# KiCad board FPGA_dev_board.kicad_pcb (continued)
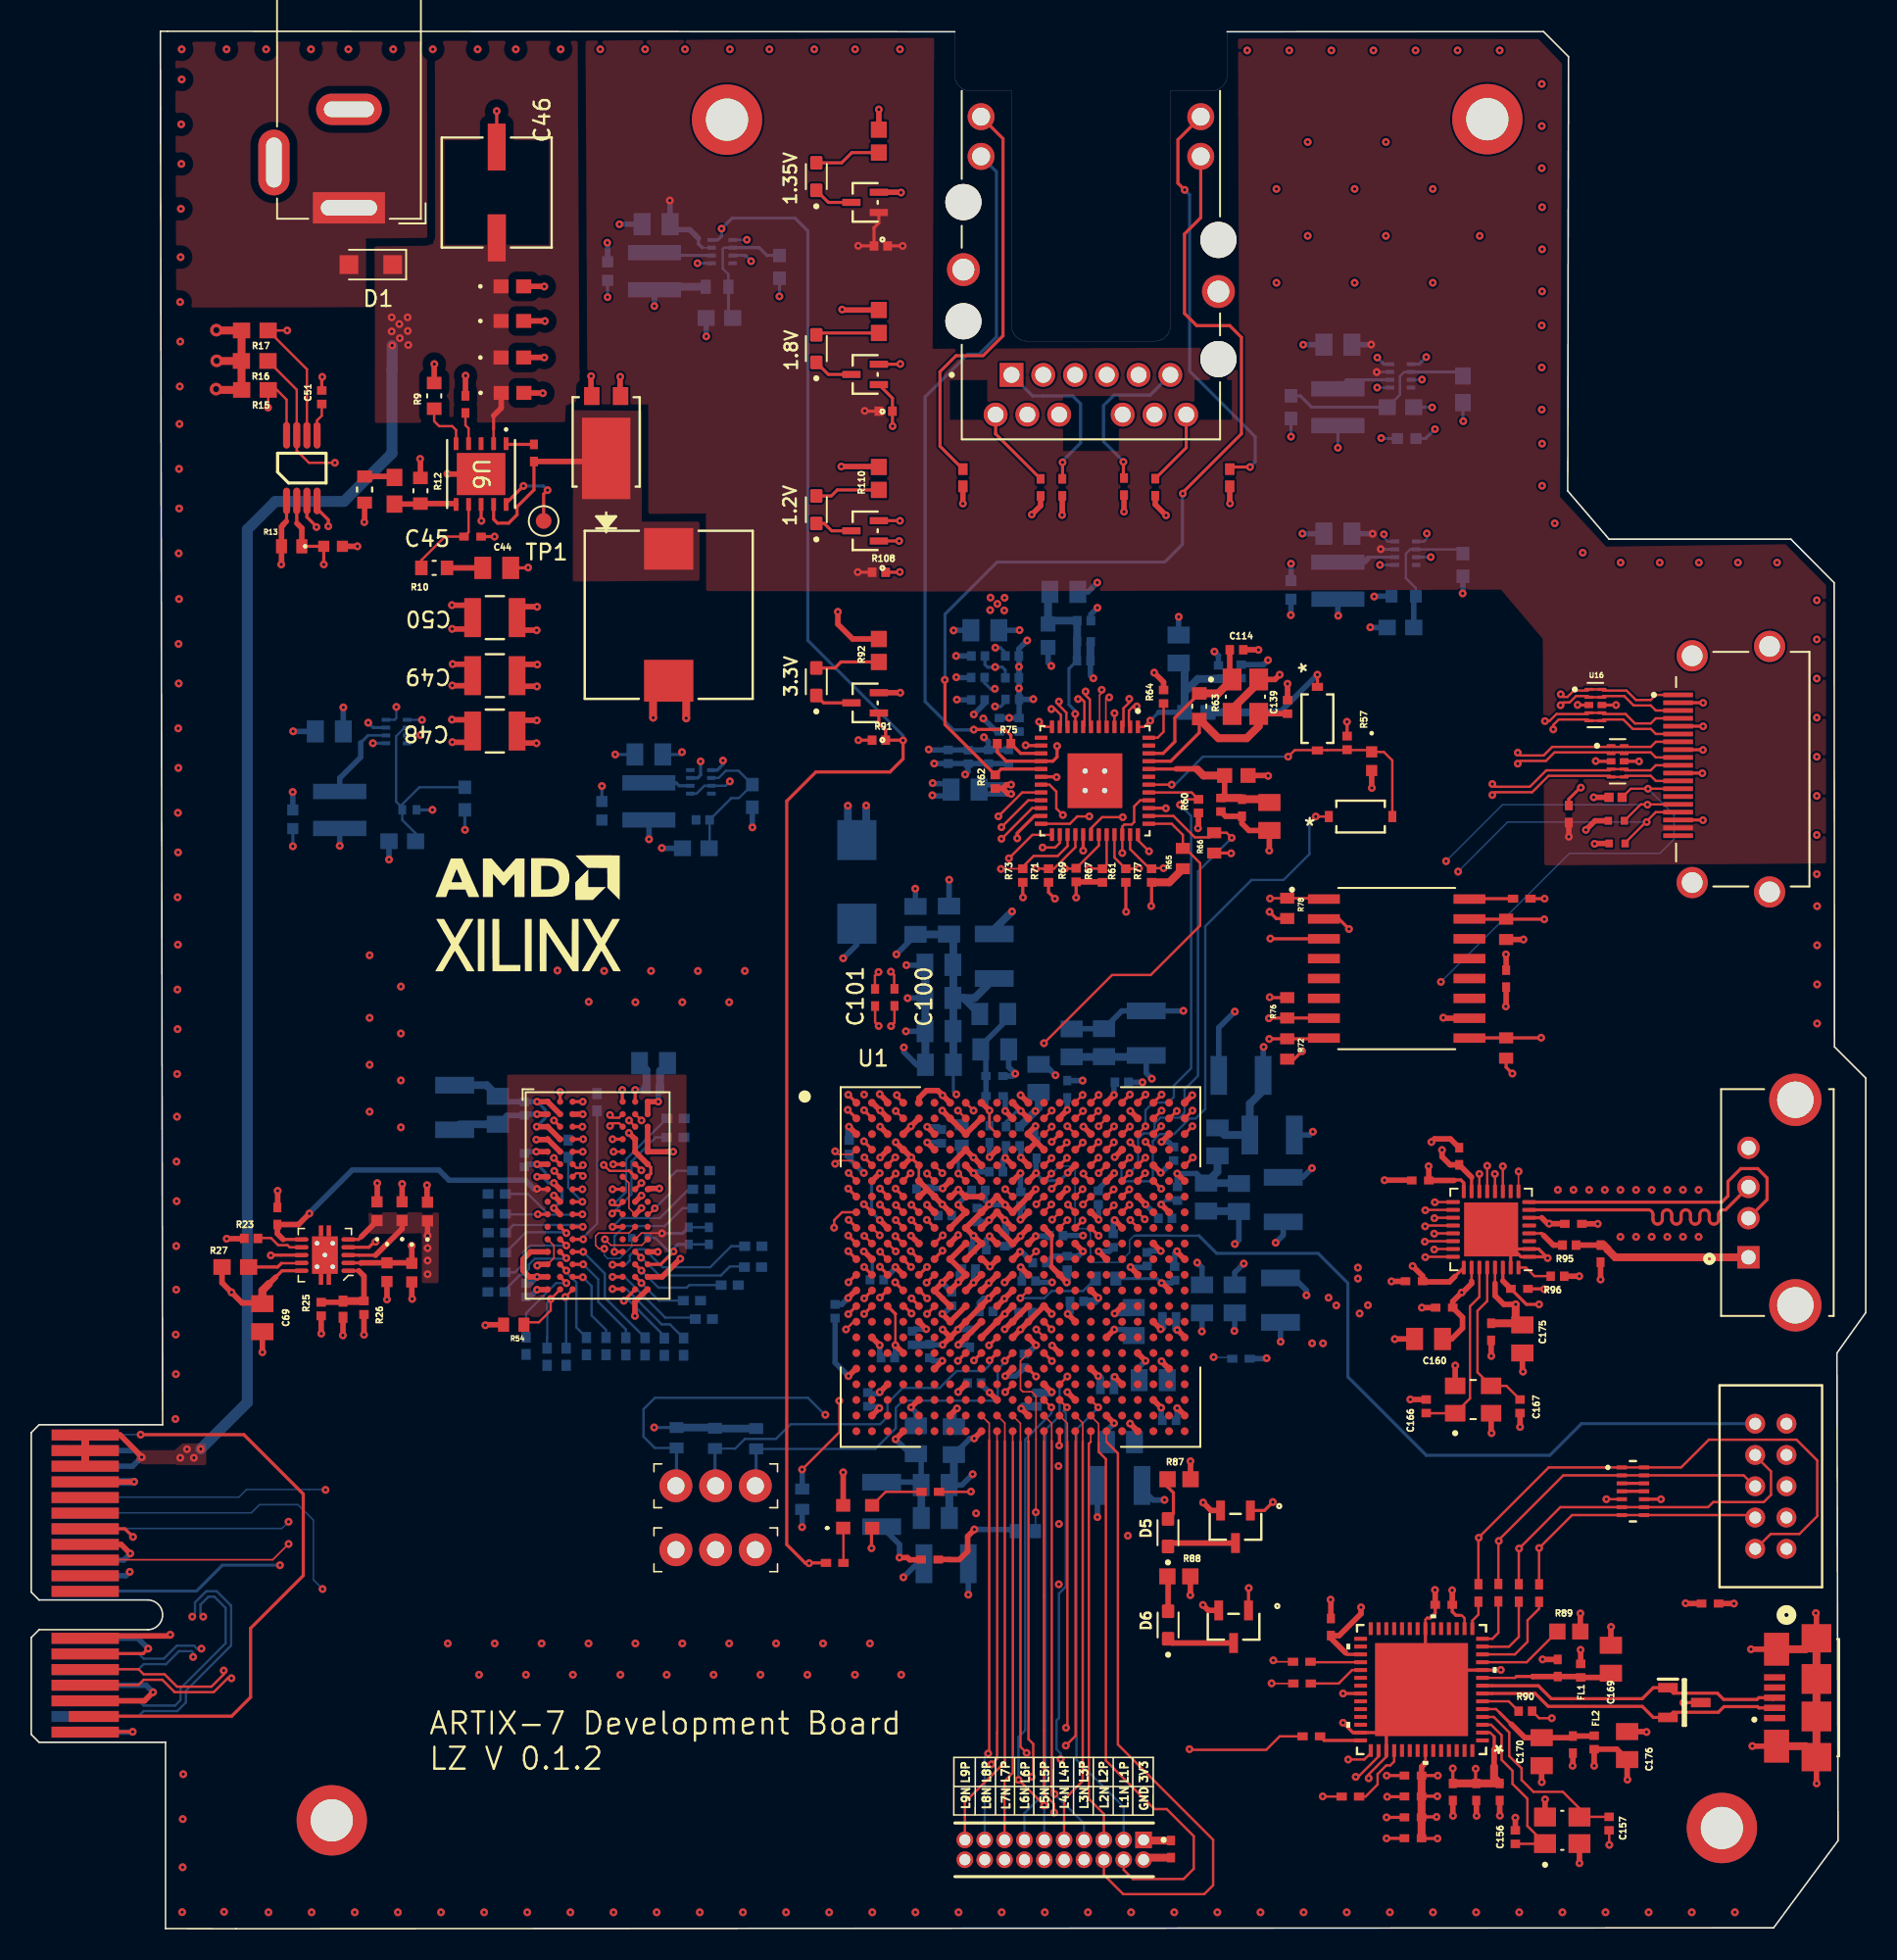
[diagram p0: board, top side]
## Routing (per net, layer and track width the routed paths; a pad name or vN(x,y) marks a point on that pad's centre or on a via; arc(x,y) is an arc through that point) (continued)
IO_L9P: length 28.4
  Top w0.1: 61.77,32.83 62.27,32.34 62.27,31.16
  Top w0.15: J8.19 59.71,8.09 62.27,10.65 62.27,31.16
JTAG_TCK: length 128.8
  Top w0.1: v1(16.46,24.6) 15.45,23.59 3.64,23.59
  Top w0.15: R98.2 v1(96.44,24.34) 98.55,26.45 U14.7 U14.8 110.1,26.45 J6.7
  Top w0.2: 63.74,35.84 v1(64.27,35.31)
  In2.Cu w0.1: v1(65.7,29.58) 64.58,29.58 61.07,26.07 59.98,26.07 58.73,24.82 48.37,24.82 47.33,25.86 38.52,25.86 37.31,24.65 16.51,24.65 v1(16.46,24.6) ; 96.46,24.3 95.17,23.01 85.32,23.01 81.68,26.65 70.56,26.65 64.27,32.94 v1(64.27,35.31)
  In5.Cu w0.1: v1(64.27,35.31) 64.27,31.04 65.7,29.61 v1(65.7,29.58)
JTAG_TDI: length 145.4
  Top w0.15: R99.2 95.14,24.29 97.8,26.95 U14.6 U14.9 107.25,26.95 107.58,27.28 110.81,27.28 111.27,27.74 111.27,29.24 110.26,30.25
  Top w0.2: 64.73,38.85 v1(65.25,38.32)
  In2.Cu w0.1: v1(65.25,38.32) 67.92,38.32 71.15,35.09 79.51,35.09 87.21,27.39 93.48,27.39 95.12,25.75 95.12,24.33 ; v1(18.82,28.06) 36.84,28.06 38.77,29.99 65.29,29.99 65.47,30.17 65.94,30.17 70.14,25.97 v1(70.14,25.13)
  In5.Cu w0.1: v1(70.14,25.13) 67.4,27.87 67.4,36.22 65.3,38.32 v1(65.25,38.32)
  Bottom w0.1: 3.64,27.59 13.28,27.59 13.77,28.08 18.8,28.08 v1(18.82,28.06)
  vias: v1(95.16,24.31)
JTAG_TDO: length 142.5
  Top w0.15: R100.2 93.83,24.83 97.99,28.99 U14.2 U14.13 109.52,28.99 110.26,28.25
  Top w0.2: 64.75,36.82 v1(65.28,36.3)
  In2.Cu w0.1: v1(65.28,36.3) 66.61,36.3 67.25,35.66 67.25,32.35 70.35,29.25 81.5,29.25 86.75,24 93.03,24 93.85,24.82 ; v1(18.63,21.72) 19.29,21.06 37.44,21.06 38.82,19.68 63.38,19.68 v1(65.72,22.02)
  In5.Cu w0.1: v1(65.28,36.3) 66.37,36.3 66.77,35.9 66.77,22.96 65.83,22.02 v1(65.72,22.02)
  Bottom w0.1: v1(18.63,21.72) 18.05,22.3 18.05,26.12 17.06,27.11 14.6,27.11 14.08,26.59 3.64,26.59
  vias: v1(93.86,24.79)
JTAG_TMS: length 142.9
  Top w0.1: U1.T13 64.77,37.83
  Top w0.15: R101.2 92.56,25 97.05,29.49 U14.1 U14.14 105.52,29.49 107.3,31.27 112.9,31.27 114.23,29.94 114.23,26.38 113.09,25.24 111.25,25.24 110.26,24.25 ; 64.77,37.83 v1(64.28,38.32)
  In2.Cu w0.1: v1(16.46,26.02) 17.09,26.65 48.32,26.65 49.1,27.43 59.09,27.43 59.94,26.58 60.41,26.58 v1(60.43,26.56) ; 92.62,24.97 91.23,26.36 86.56,26.36 80.52,32.4 71.05,32.4 68.75,34.7 68.75,35.94 66.92,37.77 64.69,37.77 64.28,38.18 v1(64.28,38.32)
  In5.Cu w0.1: v1(64.28,38.32) 64.28,38.17 63.46,37.35 63.46,34.4 62.75,33.69 62.75,28.88 v1(60.43,26.56)
  Bottom w0.1: 3.64,25.59 16.03,25.59 v1(16.46,26.02)
  vias: v1(92.58,25)
NRST: length 63
  Top w0.2: 64.77,47.81 v1(65.24,48.28)
  Bottom w0.1: 72.85,44.32 72.86,44.31 ; 70.62,44.32 70.54,44.32 70.25,44.03 70.25,43.24 69.62,42.61 67.89,42.61 67.75,42.75 67.75,43.26 67.74,43.27 67.74,44.51 67.49,44.76 66.89,44.76 66.76,44.89 66.76,48.58 66.77,48.59 66.6,48.76 65.75,48.76 65.28,48.28 v1(65.24,48.28)
  Bottom w0.15: 72.86,44.31 74.69,44.31 ; 70.62,44.32 72.85,44.32
  Bottom w0.2: J6.10 99.14,32.29 97.12,30.27 89.22,30.27 84.21,35.28 84.21,41.28 82.31,43.18 75.82,43.18 74.69,44.31
PERST#: length 90.3
  Top w0.15: v1(65.27,47.31) 65.27,47.31
  Top w0.2: 65.27,47.31 U1.F14
  In2.Cu w0.1: v1(15.91,23.24) 16.53,22.62 37.36,22.62 39.02,20.96 60.81,20.96 v1(65.73,25.88)
  In5.Cu w0.1: v1(65.73,25.88) 65.73,28.1 66.31,28.68 66.31,31.32 64.75,32.88 64.75,38.45 63.73,39.47 63.73,46.55 64.07,46.89 64.08,46.88 64.84,46.88 v1(65.27,47.31)
  Bottom w0.2: v1(15.91,23.24) 12.22,23.24 10.57,21.59 3.64,21.59
PROGRAM_B: length 6
  Top w0.15: 63.73,40.79 v1(63.26,40.32) ; U1.N12 63.77,40.81
  Bottom w0.15: v1(63.26,40.32) 64.8,40.32 65.25,40.77 67.27,40.77 R81.1
PRSNT: length 39.5
  Top w0.2: v1(7,31.59) 13.6,31.59 17.4,27.79 17.4,22.58 14.03,19.21 14.03,14.8 12.82,13.59 4.19,13.59
  Bottom w0.1: v1(7,31.59) 4.19,31.59
PWR12V: length 113.2
  Top w0.15: U6.2 29.57,95.86
  Top w0.2: 29.57,95.86 29.57,96.75
  Top w0.35: 7.14,30.11 5.68,31.57 J2.B1 ; J2.B12 3.6,18.72 8.88,18.72 8.95,18.79 ; 29.57,96.75 30.06,97.24 C42.1
  Top w0.5: J2.A3 J2.A2 J2.B1
  In4_VCC.Cu w0.35: 8.95,18.79 9.45,19.29 9.45,20.99 10.08,21.62 10.08,29.56 v1(9.53,30.11)
  Bottom w0.35: J2.A3 6.48,29.57 v1(7.06,30.15) 6.64,30.57 J2.A2
  Bottom w0.7: v1(10.84,30.67) 13.82,33.65 13.82,89.47 15.61,91.26 20,91.26 23.07,94.33 23.07,99.74 23.08,99.75 v1(23.08,101.23)
  vias: v1(8.89,18.8) v1(9.96,30.66) v1(10.4,30.11) v1(23.05,103.03) v1(23.05,102.13) v1(23.54,102.6) v1(23.57,101.7) v1(24.07,103.03) v1(24.08,102.16) v1(24.11,101.26)
QSPI_FLASH_CLK: length 91.6
  Top w0.15: 68.77,51.81 v1(68.27,51.31) ; U1.L12 63.77,42.81 v1(64.27,43.31)
  Top w0.2: R79.2 v1(96.79,65.86)
  In2.Cu w0.1: v1(96.79,65.86) 94.22,63.29 91.24,63.29 72.72,44.77 65.73,44.77 64.27,43.31 v1(64.27,43.31)
  In5.Cu w0.1: v1(68.27,51.31) 68.26,51.31 67.73,50.78 64.96,50.78 64.67,51.07 64.67,52.8 65.03,53.16 65.03,56.31 65.17,56.45 65.17,59.6 72.09,66.52 96.13,66.52 v1(96.79,65.86)
QSPI_FLASH_CS: length 19.4
  Top w0.15: U1.A16 67.77,52.81 v1(68.27,53.31)
  Top w0.2: v1(79.16,58.21) 79.18,58.23 R76.1 82.66,58.23 IC1.7
  In5.Cu w0.1: v1(79.16,58.21) 77.13,60.24 74.22,60.24 68.27,54.29 v1(68.27,53.31)
QSPI_FLASH_DQ0: length 51.4
  Top w0.15: 66.75,52.81 v1(67.24,53.31)
  Top w0.2: IC1.15 92,64.55 R74.1 96.76,64.55 v1(96.77,64.54)
  In5.Cu w0.1: v1(96.77,64.54) 89.17,64.54 arc(88.98,64.46) 88.89,64.26 88.89,63.86 arc(88.81,63.66) 88.62,63.58 arc(88.43,63.66) 88.34,63.86 88.34,65.22 arc(88.26,65.42) 88.07,65.5 arc(87.88,65.42) 87.8,65.22 87.8,63.86 arc(87.71,63.66) 87.52,63.58 arc(87.33,63.66) 87.25,63.86 87.25,65.22 arc(87.16,65.42) 86.97,65.5 arc(86.78,65.42) 86.69,65.22 86.69,63.86 arc(86.61,63.66) 86.42,63.58 arc(86.23,63.66) 86.14,63.86 86.14,65.22 arc(86.06,65.42) 85.87,65.5 arc(85.68,65.42) 85.59,65.22 85.59,64.81 arc(85.51,64.62) 85.32,64.54 76.01,64.54 66.71,55.24 66.71,53.85 67.24,53.32 v1(67.24,53.31)
QSPI_FLASH_DQ1: length 51.4
  Top w0.15: 67.75,51.79 v1(68.24,52.28)
  Top w0.2: IC1.8 82.63,56.9 R72.1 79.19,56.9 v1(79.18,56.89)
  In5.Cu w0.1: v1(79.18,56.89) 79.16,56.87 78.57,56.87 arc(78.43,56.81) 78.37,56.67 78.37,55.85 arc(78.31,55.71) 78.17,55.65 arc(78.03,55.71) 77.97,55.85 77.97,57.89 arc(77.91,58.03) 77.77,58.09 arc(77.63,58.03) 77.57,57.89 77.57,55.85 arc(77.51,55.71) 77.37,55.65 arc(77.23,55.71) 77.17,55.85 77.17,57.89 arc(77.11,58.03) 76.97,58.09 arc(76.83,58.03) 76.77,57.89 76.77,55.85 arc(76.71,55.71) 76.57,55.65 arc(76.43,55.71) 76.37,55.85 76.37,57.89 arc(76.31,58.03) 76.17,58.09 arc(76.03,58.03) 75.97,57.89 75.97,55.85 arc(75.91,55.71) 75.77,55.65 arc(75.63,55.71) 75.57,55.85 75.57,57.89 arc(75.51,58.03) 75.37,58.09 arc(75.23,58.03) 75.17,57.89 75.17,55.85 arc(75.11,55.71) 74.97,55.65 arc(74.83,55.71) 74.77,55.85 74.77,57.89 arc(74.71,58.03) 74.57,58.09 arc(74.43,58.03) 74.37,57.89 74.37,55.85 arc(74.31,55.71) 74.17,55.65 arc(74.03,55.71) 73.97,55.85 73.97,57.89 arc(73.91,58.03) 73.77,58.09 arc(73.63,58.03) 73.57,57.89 73.57,55.85 arc(73.51,55.71) 73.37,55.65 arc(73.23,55.71) 73.17,55.85 73.17,57.89 arc(73.11,58.03) 72.97,58.09 arc(72.83,58.03) 72.77,57.89 72.77,55.85 arc(72.71,55.71) 72.57,55.65 arc(72.43,55.71) 72.37,55.85 72.37,56.67 arc(72.31,56.81) 72.17,56.87 71.79,56.87 68.72,53.8 68.72,52.77 68.24,52.29 v1(68.24,52.28)
QSPI_FLASH_DQ2: length 51.4
  Top w0.15: 64.77,50.79 v1(65.27,51.28)
  Top w0.2: IC1.9 92,56.96 R70.1 96.56,56.96 v1(96.57,56.97)
  In5.Cu w0.1: v1(96.57,56.97) 94.78,55.18 94.44,55.18 arc(94.25,55.1) 94.17,54.91 94.17,54.49 arc(94.08,54.3) 93.89,54.22 arc(93.7,54.3) 93.61,54.49 93.61,55.87 arc(93.53,56.06) 93.34,56.14 arc(93.15,56.06) 93.07,55.87 93.07,54.49 arc(92.98,54.3) 92.79,54.22 arc(92.6,54.3) 92.52,54.49 92.52,55.87 arc(92.43,56.06) 92.24,56.14 arc(92.05,56.06) 91.96,55.87 91.96,54.49 arc(91.88,54.3) 91.69,54.22 arc(91.5,54.3) 91.42,54.49 91.42,55.87 arc(91.33,56.06) 91.14,56.14 arc(90.95,56.06) 90.86,55.87 90.86,54.49 arc(90.78,54.3) 90.59,54.22 arc(90.4,54.3) 90.31,54.49 90.31,54.91 arc(90.23,55.1) 90.04,55.18 70.73,55.18 69.71,54.16 69.71,52.71 68.74,51.74 68.17,51.74 68.16,51.75 65.73,51.75 v1(65.27,51.29)
QSPI_FLASH_DQ3: length 51.4
  Top w0.15: IC1.1 82.62,65.89 R78.1 79.25,65.89 v1(79.23,65.87) ; U1.B13 64.77,51.81 v1(65.27,52.31)
  In5.Cu w0.1: v1(79.23,65.87) 74.47,65.87 72.26,63.66 arc(72.06,63.58) 71.87,63.66 71.58,63.95 arc(71.38,64.03) 71.19,63.95 arc(71.11,63.75) 71.19,63.56 72.16,62.59 arc(72.24,62.39) 72.16,62.2 arc(71.97,62.12) 71.77,62.2 70.8,63.17 arc(70.6,63.25) 70.41,63.17 arc(70.33,62.98) 70.41,62.78 71.38,61.81 arc(71.46,61.62) 71.38,61.42 arc(71.19,61.34) 70.99,61.42 70.02,62.39 arc(69.83,62.47) 69.63,62.39 arc(69.55,62.2) 69.63,62 70.6,61.03 arc(70.69,60.84) 70.6,60.64 arc(70.41,60.56) 70.22,60.64 69.24,61.62 arc(69.05,61.7) 68.85,61.62 arc(68.77,61.42) 68.85,61.23 69.83,60.25 arc(69.91,60.06) 69.83,59.87 arc(69.63,59.79) 69.44,59.87 68.47,60.84 arc(68.27,60.92) 68.08,60.84 arc(68,60.64) 68.08,60.45 69.05,59.48 arc(69.13,59.28) 69.05,59.09 arc(68.85,59.01) 68.66,59.09 67.69,60.06 arc(67.49,60.14) 67.3,60.06 arc(67.22,59.87) 67.3,59.67 68.27,58.7 arc(68.35,58.5) 68.27,58.31 arc(68.08,58.23) 67.88,58.31 66.91,59.28 arc(66.72,59.36) 66.52,59.28 arc(66.44,59.09) 66.52,58.89 67.49,57.92 arc(67.57,57.73) 67.49,57.53 arc(67.3,57.45) 67.1,57.53 66.13,58.5 arc(65.94,58.58) 65.74,58.5 arc(65.66,58.31) 65.74,58.12 66.03,57.82 arc(66.12,57.63) 66.03,57.44 65.92,57.32 65.92,52.96 v1(65.27,52.31)
QSPI_FLASH_RST: length 22
  Top w0.15: 66.77,51.79 v1(67.27,52.28)
  Top w0.2: IC1.3 79.27,63.29 v1(79.25,63.31)
  In5.Cu w0.1: v1(67.27,52.28) 67.78,52.8 67.78,55.1 76.01,63.33 79.23,63.33 v1(79.25,63.31)
RESET_OUT_N: length 34.8
  Top w0.15: 82.28,71.24 v1(82.15,71.11) D3.1
  Top w0.2: 69.78,48.82 v1(70.25,49.3)
  Bottom w0.15: v1(82.15,71.11) 81.75,70.71 81.75,68.71 80.1,67.06 78.05,67.06 75.09,64.1 75.09,52.42 74.47,51.8 74.08,51.8 73.09,50.81 72.18,50.81 71.73,50.36 71.73,47.97 71.55,47.79 69.83,47.79 69.73,47.89 69.73,48.72 70.25,49.24 v1(70.25,49.3)
RGMII_RD0: length 50.1
  Top w0.15: 68.78,69.95 68.78,68.04 R67.2 68.5,67.78 v1(67.65,67.78)
  Top w0.2: 66.78,49.8 v1(67.25,50.27)
  In2.Cu w0.1: v1(67.25,50.27) 67.47,50.27 68.02,50.82 68.48,50.82 68.75,51.09 68.75,53.8 70.25,55.3 arc(70.33,55.49) 70.25,55.69 70.2,55.74 arc(70.12,55.93) 70.2,56.13 arc(70.39,56.21) 70.59,56.13 70.64,56.07 arc(70.83,55.99) 71.03,56.07 71.13,56.18 71.13,57.28 arc(71.08,57.4) 70.95,57.45 70.66,57.45 arc(70.53,57.51) 70.48,57.63 arc(70.53,57.75) 70.66,57.81 71.61,57.81 arc(71.73,57.86) 71.78,57.98 arc(71.73,58.1) 71.61,58.16 70.66,58.16 arc(70.53,58.21) 70.48,58.33 arc(70.53,58.45) 70.66,58.5 71.61,58.5 arc(71.73,58.56) 71.78,58.68 arc(71.73,58.8) 71.61,58.85 70.66,58.85 arc(70.53,58.91) 70.48,59.03 arc(70.53,59.15) 70.66,59.2 71.61,59.2 arc(71.73,59.26) 71.78,59.38 arc(71.73,59.5) 71.61,59.56 70.66,59.56 arc(70.53,59.61) 70.48,59.73 arc(70.53,59.85) 70.66,59.91 71.61,59.91 arc(71.73,59.96) 71.78,60.08 arc(71.73,60.2) 71.61,60.25 70.66,60.25 arc(70.53,60.31) 70.48,60.43 arc(70.53,60.55) 70.66,60.6 71.61,60.6 arc(71.73,60.66) 71.78,60.78 arc(71.73,60.9) 71.61,60.95 70.66,60.95 arc(70.53,61.01) 70.48,61.13 arc(70.53,61.25) 70.66,61.31 71.61,61.31 arc(71.73,61.36) 71.78,61.48 arc(71.73,61.6) 71.61,61.66 70.66,61.66 arc(70.53,61.71) 70.48,61.83 arc(70.53,61.95) 70.66,62 71.61,62 arc(71.73,62.06) 71.78,62.18 arc(71.73,62.3) 71.61,62.35 70.66,62.35 arc(70.53,62.41) 70.48,62.53 arc(70.53,62.65) 70.66,62.7 71.61,62.7 arc(71.73,62.76) 71.78,62.88 arc(71.73,63) 71.61,63.06 70.66,63.06 arc(70.53,63.11) 70.48,63.23 arc(70.53,63.35) 70.66,63.41 71.61,63.41 arc(71.73,63.46) 71.78,63.58 arc(71.73,63.7) 71.61,63.75 70.66,63.75 arc(70.53,63.81) 70.48,63.93 arc(70.53,64.05) 70.66,64.1 71.61,64.1 arc(71.73,64.16) 71.78,64.28 arc(71.73,64.4) 71.61,64.45 70.66,64.45 arc(70.53,64.51) 70.48,64.63 arc(70.53,64.75) 70.66,64.81 70.95,64.81 arc(71.08,64.86) 71.13,64.98 71.13,65.13 70.67,65.59 69.66,65.59 67.65,67.6 v1(67.65,67.78)
RGMII_RD1: length 50.6
  Top w0.15: 68.28,69.95 68.28,69.25 R69.2 66.8,67.78 v1(66.11,67.78)
  Top w0.2: 65.75,49.8 v1(66.23,50.27)
  In2.Cu w0.1: v1(66.11,67.78) 66.87,67.78 69.54,65.11 69.54,64.98 arc(69.49,64.86) 69.36,64.81 69.09,64.81 arc(68.96,64.75) 68.91,64.63 arc(68.96,64.51) 69.09,64.45 69.99,64.45 arc(70.12,64.4) 70.17,64.28 arc(70.12,64.16) 69.99,64.1 69.09,64.1 arc(68.96,64.05) 68.91,63.93 arc(68.96,63.81) 69.09,63.75 69.99,63.75 arc(70.12,63.7) 70.17,63.58 arc(70.12,63.46) 69.99,63.41 69.09,63.41 arc(68.96,63.35) 68.91,63.23 arc(68.96,63.11) 69.09,63.06 69.99,63.06 arc(70.12,63) 70.17,62.88 arc(70.12,62.76) 69.99,62.7 69.09,62.7 arc(68.96,62.65) 68.91,62.53 arc(68.96,62.41) 69.09,62.35 69.99,62.35 arc(70.12,62.3) 70.17,62.18 arc(70.12,62.06) 69.99,62 69.09,62 arc(68.96,61.95) 68.91,61.83 arc(68.96,61.71) 69.09,61.66 69.99,61.66 arc(70.12,61.6) 70.17,61.48 arc(70.12,61.36) 69.99,61.31 69.09,61.31 arc(68.96,61.25) 68.91,61.13 arc(68.96,61.01) 69.09,60.95 69.99,60.95 arc(70.12,60.9) 70.17,60.78 arc(70.12,60.66) 69.99,60.6 69.09,60.6 arc(68.96,60.55) 68.91,60.43 arc(68.96,60.31) 69.09,60.25 69.99,60.25 arc(70.12,60.2) 70.17,60.08 arc(70.12,59.96) 69.99,59.91 69.09,59.91 arc(68.96,59.85) 68.91,59.73 arc(68.96,59.61) 69.09,59.56 69.99,59.56 arc(70.12,59.5) 70.17,59.38 arc(70.12,59.26) 69.99,59.2 69.09,59.2 arc(68.96,59.15) 68.91,59.03 arc(68.96,58.91) 69.09,58.85 69.99,58.85 arc(70.12,58.8) 70.17,58.68 arc(70.12,58.56) 69.99,58.5 69.09,58.5 arc(68.96,58.45) 68.91,58.33 arc(68.96,58.21) 69.09,58.16 69.99,58.16 arc(70.12,58.1) 70.17,57.98 arc(70.12,57.86) 69.99,57.81 69.09,57.81 arc(68.96,57.75) 68.91,57.63 arc(68.96,57.51) 69.09,57.45 69.99,57.45 arc(70.12,57.4) 70.17,57.28 arc(70.12,57.16) 69.99,57.1 69.09,57.1 arc(68.96,57.05) 68.91,56.93 arc(68.96,56.81) 69.09,56.75 69.36,56.75 arc(69.49,56.7) 69.54,56.58 69.54,56.03 68.34,54.83 68.34,54.05 67.74,53.45 67.74,51.01 67.53,50.8 66.76,50.8 v1(66.23,50.27)
RGMII_RD2: length 51
  Top w0.15: 66.78,69.95 66.78,69.15 65.41,67.78 R71.2 64.7,67.78 64.7,67.78 v1(64.26,67.78)
  Top w0.2: 67.78,49.82 v1(68.25,50.3)
  In2.Cu w0.1: v1(68.25,50.3) 68.4,50.3 68.74,49.96 68.74,46.48 68.08,45.82 60.51,45.82 59.77,46.56 59.77,63.29 59.27,63.79 59.27,69.82 61.61,72.16 62.52,72.16 64.26,70.42 v1(64.26,67.78)
RGMII_RD3: length 52
  Top w0.1: R73.2 62.03,67.78 v1(62.02,67.76)
  Top w0.15: 66.28,69.95 66.28,69.22 65.65,68.59 64.11,68.59 63.42,67.9
  Top w0.2: 67.78,48.82 v1(68.25,49.3)
  In2.Cu w0.1: v1(62.02,67.76) 62.02,65.09 63.3,63.81 63.3,63.67 arc(63.24,63.53) 63.1,63.47 62.92,63.47 arc(62.78,63.41) 62.72,63.27 arc(62.78,63.13) 62.92,63.07 63.68,63.07 arc(63.82,63.01) 63.88,62.87 arc(63.82,62.73) 63.68,62.67 62.92,62.67 arc(62.78,62.61) 62.72,62.47 arc(62.78,62.33) 62.92,62.27 63.68,62.27 arc(63.82,62.21) 63.88,62.07 arc(63.82,61.93) 63.68,61.87 62.92,61.87 arc(62.78,61.81) 62.72,61.67 arc(62.78,61.53) 62.92,61.47 63.68,61.47 arc(63.82,61.41) 63.88,61.27 arc(63.82,61.13) 63.68,61.07 62.92,61.07 arc(62.78,61.01) 62.72,60.87 arc(62.78,60.73) 62.92,60.67 63.68,60.67 arc(63.82,60.61) 63.88,60.47 arc(63.82,60.33) 63.68,60.27 62.92,60.27 arc(62.78,60.21) 62.72,60.07 arc(62.78,59.93) 62.92,59.87 63.68,59.87 arc(63.82,59.81) 63.88,59.67 arc(63.82,59.53) 63.68,59.47 62.92,59.47 arc(62.78,59.41) 62.72,59.27 arc(62.78,59.13) 62.92,59.07 63.68,59.07 arc(63.82,59.01) 63.88,58.87 arc(63.82,58.73) 63.68,58.67 62.92,58.67 arc(62.78,58.61) 62.72,58.47 arc(62.78,58.33) 62.92,58.27 63.68,58.27 arc(63.82,58.21) 63.88,58.07 arc(63.82,57.93) 63.68,57.87 62.92,57.87 arc(62.78,57.81) 62.72,57.67 arc(62.78,57.53) 62.92,57.47 63.68,57.47 arc(63.82,57.41) 63.88,57.27 arc(63.82,57.13) 63.68,57.07 62.92,57.07 arc(62.78,57.01) 62.72,56.87 arc(62.78,56.73) 62.92,56.67 63.68,56.67 arc(63.82,56.61) 63.88,56.47 arc(63.82,56.33) 63.68,56.27 62.92,56.27 arc(62.78,56.21) 62.72,56.07 arc(62.78,55.93) 62.92,55.87 63.68,55.87 arc(63.82,55.81) 63.88,55.67 arc(63.82,55.53) 63.68,55.47 62.92,55.47 arc(62.78,55.41) 62.72,55.27 arc(62.78,55.13) 62.92,55.07 63.68,55.07 arc(63.82,55.01) 63.88,54.87 arc(63.82,54.73) 63.68,54.67 63.5,54.67 arc(63.36,54.61) 63.3,54.47 63.3,54.21 62.71,53.62 62.71,50.95 64.83,48.83 67.79,48.83 v1(68.25,49.3)
RGMII_RXC: length 47.8
  Top w0.15: 70.28,69.95 70.28,69.03 71.5,67.81 v1(72.42,67.81)
  Top w0.2: 68.78,50.82 v1(69.25,51.3)
  In2.Cu w0.1: v1(69.25,51.3) 69.25,52.59 69.87,53.21 69.87,54.41 70.59,55.13 71.38,55.13 72.64,56.39 72.64,57.65 arc(72.59,57.77) 72.47,57.82 72.27,57.82 arc(72.15,57.88) 72.1,58 arc(72.15,58.12) 72.27,58.17 73.01,58.17 arc(73.13,58.23) 73.18,58.35 arc(73.13,58.47) 73.01,58.53 72.27,58.53 arc(72.15,58.58) 72.1,58.7 arc(72.15,58.82) 72.27,58.88 73.01,58.88 arc(73.13,58.93) 73.18,59.05 arc(73.13,59.17) 73.01,59.22 72.27,59.22 arc(72.15,59.28) 72.1,59.4 arc(72.15,59.52) 72.27,59.57 73.01,59.57 arc(73.13,59.63) 73.18,59.75 arc(73.13,59.87) 73.01,59.92 72.27,59.92 arc(72.15,59.98) 72.1,60.1 arc(72.15,60.22) 72.27,60.28 73.01,60.28 arc(73.13,60.33) 73.18,60.45 arc(73.13,60.57) 73.01,60.62 72.27,60.62 arc(72.15,60.68) 72.1,60.8 arc(72.15,60.92) 72.27,60.97 73.01,60.97 arc(73.13,61.03) 73.18,61.15 arc(73.13,61.27) 73.01,61.32 72.27,61.32 arc(72.15,61.38) 72.1,61.5 arc(72.15,61.62) 72.27,61.67 73.01,61.67 arc(73.13,61.73) 73.18,61.85 arc(73.13,61.97) 73.01,62.03 72.27,62.03 arc(72.15,62.08) 72.1,62.2 arc(72.15,62.32) 72.27,62.38 73.01,62.38 arc(73.13,62.43) 73.18,62.55 arc(73.13,62.67) 73.01,62.72 72.27,62.72 arc(72.15,62.78) 72.1,62.9 arc(72.15,63.02) 72.27,63.07 73.01,63.07 arc(73.13,63.13) 73.18,63.25 arc(73.13,63.37) 73.01,63.42 72.27,63.42 arc(72.15,63.48) 72.1,63.6 arc(72.15,63.72) 72.27,63.78 73.01,63.78 arc(73.13,63.83) 73.18,63.95 arc(73.13,64.07) 73.01,64.12 72.27,64.12 arc(72.15,64.18) 72.1,64.3 arc(72.15,64.42) 72.27,64.47 73.01,64.47 arc(73.13,64.53) 73.18,64.65 arc(73.13,64.77) 73.01,64.82 72.27,64.82 arc(72.15,64.88) 72.1,65 arc(72.15,65.12) 72.27,65.17 73.01,65.17 arc(73.13,65.23) 73.18,65.35 arc(73.13,65.47) 73.01,65.53 72.27,65.53 arc(72.15,65.58) 72.1,65.7 arc(72.15,65.82) 72.27,65.88 73.01,65.88 arc(73.13,65.93) 73.18,66.05 arc(73.13,66.17) 73.01,66.22 72.27,66.22 arc(72.15,66.28) 72.1,66.4 arc(72.15,66.52) 72.27,66.57 73.01,66.57 arc(73.13,66.63) 73.18,66.75 arc(73.13,66.87) 73.01,66.92 72.27,66.92 arc(72.15,66.98) 72.1,67.1 arc(72.15,67.22) 72.27,67.28 72.47,67.28 arc(72.59,67.33) 72.64,67.45 72.64,67.59 v1(72.42,67.81)
RGMII_RXCTL: length 50.3
  Top w0.15: v1(70.85,67.8) 70.83,67.78 R61.2 70,67.78 69.28,68.49 69.28,69.95
  Top w0.2: 70.78,48.82 v1(71.25,49.3)
  In2.Cu w0.1: v1(70.85,67.8) 70.85,69.05 71.58,69.78 74.32,69.78 75.92,68.18 75.92,67.71 arc(75.98,67.55) 76.14,67.49 arc(76.3,67.43) 76.36,67.27 76.36,67.2 arc(76.3,67.05) 76.14,66.98 75.7,66.98 arc(75.54,66.92) 75.48,66.76 75.48,66.71 arc(75.54,66.55) 75.7,66.48 76.14,66.48 arc(76.3,66.42) 76.36,66.26 76.36,66.21 arc(76.3,66.05) 76.14,65.98 75.7,65.98 arc(75.54,65.92) 75.48,65.76 75.48,65.71 arc(75.54,65.55) 75.7,65.48 76.14,65.48 arc(76.3,65.42) 76.36,65.26 76.36,65.21 arc(76.3,65.05) 76.14,64.98 75.7,64.98 arc(75.54,64.92) 75.48,64.76 75.48,64.71 arc(75.54,64.55) 75.7,64.48 76.14,64.48 arc(76.3,64.42) 76.36,64.26 76.36,64.21 arc(76.3,64.05) 76.14,63.98 75.7,63.98 arc(75.54,63.92) 75.48,63.76 75.48,63.71 arc(75.54,63.55) 75.7,63.48 76.14,63.48 arc(76.3,63.42) 76.36,63.26 76.36,63.21 arc(76.3,63.05) 76.14,62.98 75.7,62.98 arc(75.54,62.92) 75.48,62.76 75.48,62.71 arc(75.54,62.55) 75.7,62.48 76.14,62.48 arc(76.3,62.42) 76.36,62.26 76.36,62.21 arc(76.3,62.05) 76.14,61.98 75.7,61.98 arc(75.54,61.92) 75.48,61.76 75.48,61.71 arc(75.54,61.55) 75.7,61.48 76.14,61.48 arc(76.3,61.42) 76.36,61.26 76.36,61.21 arc(76.3,61.05) 76.14,60.98 75.7,60.98 arc(75.54,60.92) 75.48,60.76 75.48,60.71 arc(75.54,60.55) 75.7,60.48 76.14,60.48 arc(76.3,60.42) 76.36,60.26 76.36,60.21 arc(76.3,60.05) 76.14,59.98 75.7,59.98 arc(75.54,59.92) 75.48,59.76 75.48,59.71 arc(75.54,59.55) 75.7,59.48 76.14,59.48 arc(76.3,59.42) 76.36,59.26 76.36,59.21 arc(76.3,59.05) 76.14,58.98 75.7,58.98 arc(75.54,58.92) 75.48,58.76 75.48,58.71 arc(75.54,58.55) 75.7,58.48 76.14,58.48 arc(76.3,58.42) 76.36,58.26 76.36,58.21 arc(76.3,58.05) 76.14,57.98 75.7,57.98 arc(75.54,57.92) 75.48,57.76 75.48,57.71 arc(75.54,57.55) 75.7,57.48 76.14,57.48 arc(76.3,57.42) 76.36,57.26 76.36,57.21 arc(76.3,57.05) 76.14,56.98 75.7,56.98 arc(75.54,56.92) 75.48,56.76 75.48,56.71 arc(75.54,56.55) 75.7,56.48 76.14,56.48 arc(76.3,56.42) 76.36,56.26 76.36,56.21 arc(76.3,56.05) 76.14,55.98 75.7,55.98 arc(75.54,55.92) 75.48,55.76 75.48,55.71 arc(75.54,55.55) 75.7,55.48 76.14,55.48 arc(76.3,55.42) 76.36,55.27 76.36,55.2 arc(76.3,55.05) 76.14,54.98 arc(75.98,54.92) 75.92,54.77 75.92,52.12 73.1,49.3 v1(71.25,49.3)
RGMII_TD0: length 47.8
  Top w0.15: 64.58,73.15 65.12,73.15 65.56,72.71 65.56,71.63 v1(65.98,71.21) ; U1.C15 v1(66.27,51.31)
  In2.Cu w0.1: v1(66.27,51.31) 66.73,51.77 66.73,53.49 66.99,53.75 67.56,53.75 67.89,54.08 67.89,54.67 arc(67.84,54.79) 67.72,54.84 67.63,54.84 arc(67.5,54.9) 67.45,55.02 arc(67.5,55.14) 67.63,55.19 68.15,55.19 arc(68.28,55.25) 68.33,55.37 arc(68.28,55.49) 68.15,55.54 67.63,55.54 arc(67.5,55.6) 67.45,55.72 arc(67.5,55.84) 67.63,55.9 68.15,55.9 arc(68.28,55.95) 68.33,56.07 arc(68.28,56.19) 68.15,56.25 67.63,56.25 arc(67.5,56.3) 67.45,56.42 arc(67.5,56.54) 67.63,56.59 68.15,56.59 arc(68.28,56.65) 68.33,56.77 arc(68.28,56.89) 68.15,56.94 67.63,56.94 arc(67.5,57) 67.45,57.12 arc(67.5,57.24) 67.63,57.29 68.15,57.29 arc(68.28,57.35) 68.33,57.47 arc(68.28,57.59) 68.15,57.65 67.63,57.65 arc(67.5,57.7) 67.45,57.82 arc(67.5,57.94) 67.63,58 68.15,58 arc(68.28,58.05) 68.33,58.17 arc(68.28,58.29) 68.15,58.34 67.63,58.34 arc(67.5,58.4) 67.45,58.52 arc(67.5,58.64) 67.63,58.69 68.15,58.69 arc(68.28,58.75) 68.33,58.87 arc(68.28,58.99) 68.15,59.04 67.63,59.04 arc(67.5,59.1) 67.45,59.22 arc(67.5,59.34) 67.63,59.4 68.15,59.4 arc(68.28,59.45) 68.33,59.57 arc(68.28,59.69) 68.15,59.75 67.63,59.75 arc(67.5,59.8) 67.45,59.92 arc(67.5,60.04) 67.63,60.09 68.15,60.09 arc(68.28,60.15) 68.33,60.27 arc(68.28,60.39) 68.15,60.44 67.63,60.44 arc(67.5,60.5) 67.45,60.62 arc(67.5,60.74) 67.63,60.79 68.15,60.79 arc(68.28,60.85) 68.33,60.97 arc(68.28,61.09) 68.15,61.15 67.63,61.15 arc(67.5,61.2) 67.45,61.32 arc(67.5,61.44) 67.63,61.5 68.15,61.5 arc(68.28,61.55) 68.33,61.67 arc(68.28,61.79) 68.15,61.84 67.63,61.84 arc(67.5,61.9) 67.45,62.02 arc(67.5,62.14) 67.63,62.19 68.15,62.19 arc(68.28,62.25) 68.33,62.37 arc(68.28,62.49) 68.15,62.54 67.63,62.54 arc(67.5,62.6) 67.45,62.72 arc(67.5,62.84) 67.63,62.9 68.15,62.9 arc(68.28,62.95) 68.33,63.07 arc(68.28,63.19) 68.15,63.25 67.63,63.25 arc(67.5,63.3) 67.45,63.42 arc(67.5,63.54) 67.63,63.59 68.15,63.59 arc(68.28,63.65) 68.33,63.77 arc(68.28,63.89) 68.15,63.94 67.63,63.94 arc(67.5,64) 67.45,64.12 arc(67.5,64.24) 67.63,64.29 68.15,64.29 arc(68.28,64.35) 68.33,64.47 arc(68.28,64.59) 68.15,64.65 67.63,64.65 arc(67.5,64.7) 67.45,64.82 arc(67.5,64.94) 67.63,65 68.15,65 arc(68.28,65.05) 68.33,65.17 arc(68.28,65.29) 68.15,65.34 68.06,65.34 arc(67.94,65.4) 67.89,65.52 67.89,65.73 66.48,67.14 65.75,67.14 65.45,67.44 65.45,70.68 v1(65.98,71.21)
RGMII_TD1: length 47.8
  Top w0.15: v1(61.86,71.12) 63.38,72.65 64.58,72.65
  Top w0.2: 65.74,50.78 v1(65.27,50.31)
  In2.Cu w0.1: v1(65.27,50.31) 65.77,50.81 65.77,52.82 66.05,53.1 66.05,55.95 arc(66.11,56.09) 66.25,56.15 66.84,56.15 arc(66.98,56.21) 67.04,56.35 arc(66.98,56.49) 66.84,56.55 66.25,56.55 arc(66.11,56.61) 66.05,56.75 arc(66.11,56.89) 66.25,56.95 66.84,56.95 arc(66.98,57.01) 67.04,57.15 arc(66.98,57.29) 66.84,57.35 66.25,57.35 arc(66.11,57.41) 66.05,57.55 arc(66.11,57.69) 66.25,57.75 66.84,57.75 arc(66.98,57.81) 67.04,57.95 arc(66.98,58.09) 66.84,58.15 66.25,58.15 arc(66.11,58.21) 66.05,58.35 arc(66.11,58.49) 66.25,58.55 66.84,58.55 arc(66.98,58.61) 67.04,58.75 arc(66.98,58.89) 66.84,58.95 66.25,58.95 arc(66.11,59.01) 66.05,59.15 arc(66.11,59.29) 66.25,59.35 66.84,59.35 arc(66.98,59.41) 67.04,59.55 arc(66.98,59.69) 66.84,59.75 66.25,59.75 arc(66.11,59.81) 66.05,59.95 arc(66.11,60.09) 66.25,60.15 66.84,60.15 arc(66.98,60.21) 67.04,60.35 arc(66.98,60.49) 66.84,60.55 66.25,60.55 arc(66.11,60.61) 66.05,60.75 arc(66.11,60.89) 66.25,60.95 66.84,60.95 arc(66.98,61.01) 67.04,61.15 arc(66.98,61.29) 66.84,61.35 66.25,61.35 arc(66.11,61.41) 66.05,61.55 arc(66.11,61.69) 66.25,61.75 66.84,61.75 arc(66.98,61.81) 67.04,61.95 arc(66.98,62.09) 66.84,62.15 66.25,62.15 arc(66.11,62.21) 66.05,62.35 arc(66.11,62.49) 66.25,62.55 66.84,62.55 arc(66.98,62.61) 67.04,62.75 arc(66.98,62.89) 66.84,62.95 66.25,62.95 arc(66.11,63.01) 66.05,63.15 66.05,63.31 65.59,63.77 arc(65.54,63.89) 65.59,64.01 66.34,64.75 arc(66.39,64.88) 66.34,65 arc(66.21,65.05) 66.09,65 65.35,64.26 arc(65.22,64.21) 65.1,64.26 64.91,64.45 64.91,64.75 arc(64.86,64.87) 64.73,64.92 64.08,64.92 arc(63.96,64.98) 63.91,65.1 arc(63.96,65.22) 64.08,65.28 64.73,65.28 arc(64.86,65.33) 64.91,65.45 arc(64.86,65.57) 64.73,65.62 64.08,65.62 arc(63.96,65.68) 63.91,65.8 arc(63.96,65.92) 64.08,65.97 64.73,65.97 arc(64.86,66.03) 64.91,66.15 64.91,66.38 63.64,67.65 63.64,69.85 62.36,71.12 v1(61.86,71.12)